# Altium PCB V5_BASE.PcbDoc (part 1 of 2)
Units mm, origin at the board's own origin, x right, y up, seen from the top; angles counter-clockwise.
Board outline 76 x 39 mm, 4 copper layers (Top Layer, Signal Layer 1, Signal Layer 2, Bottom Layer), stack 1.183 mm thick; 102 components, 180 nets, 665 pads, 337 vias.
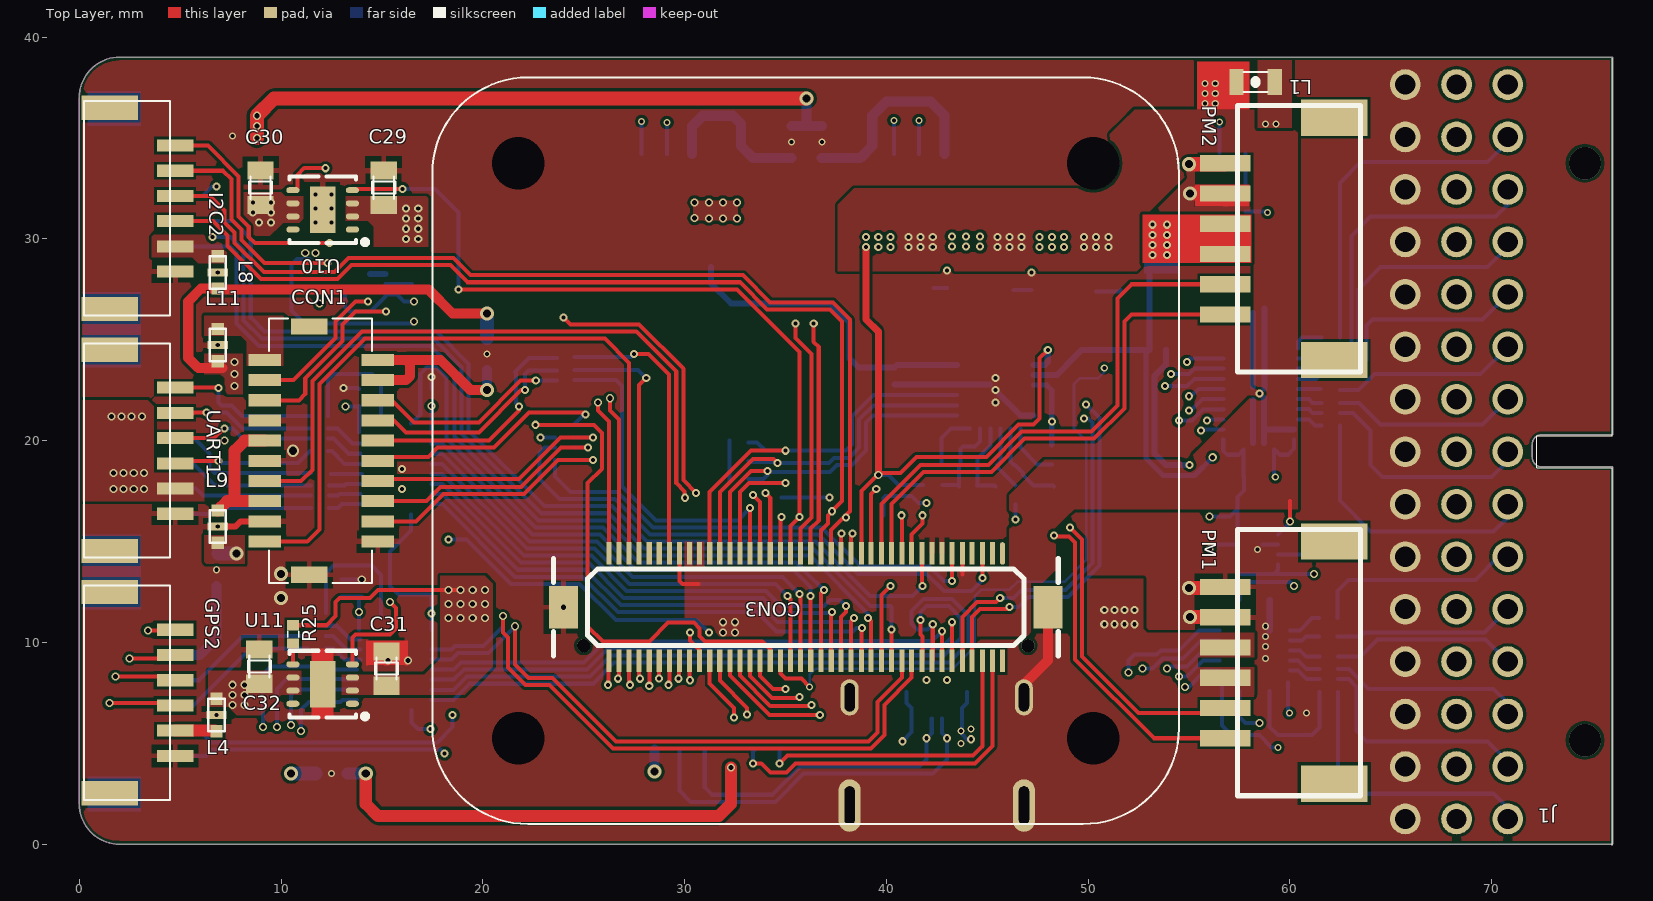
[diagram p0: Top Layer view]
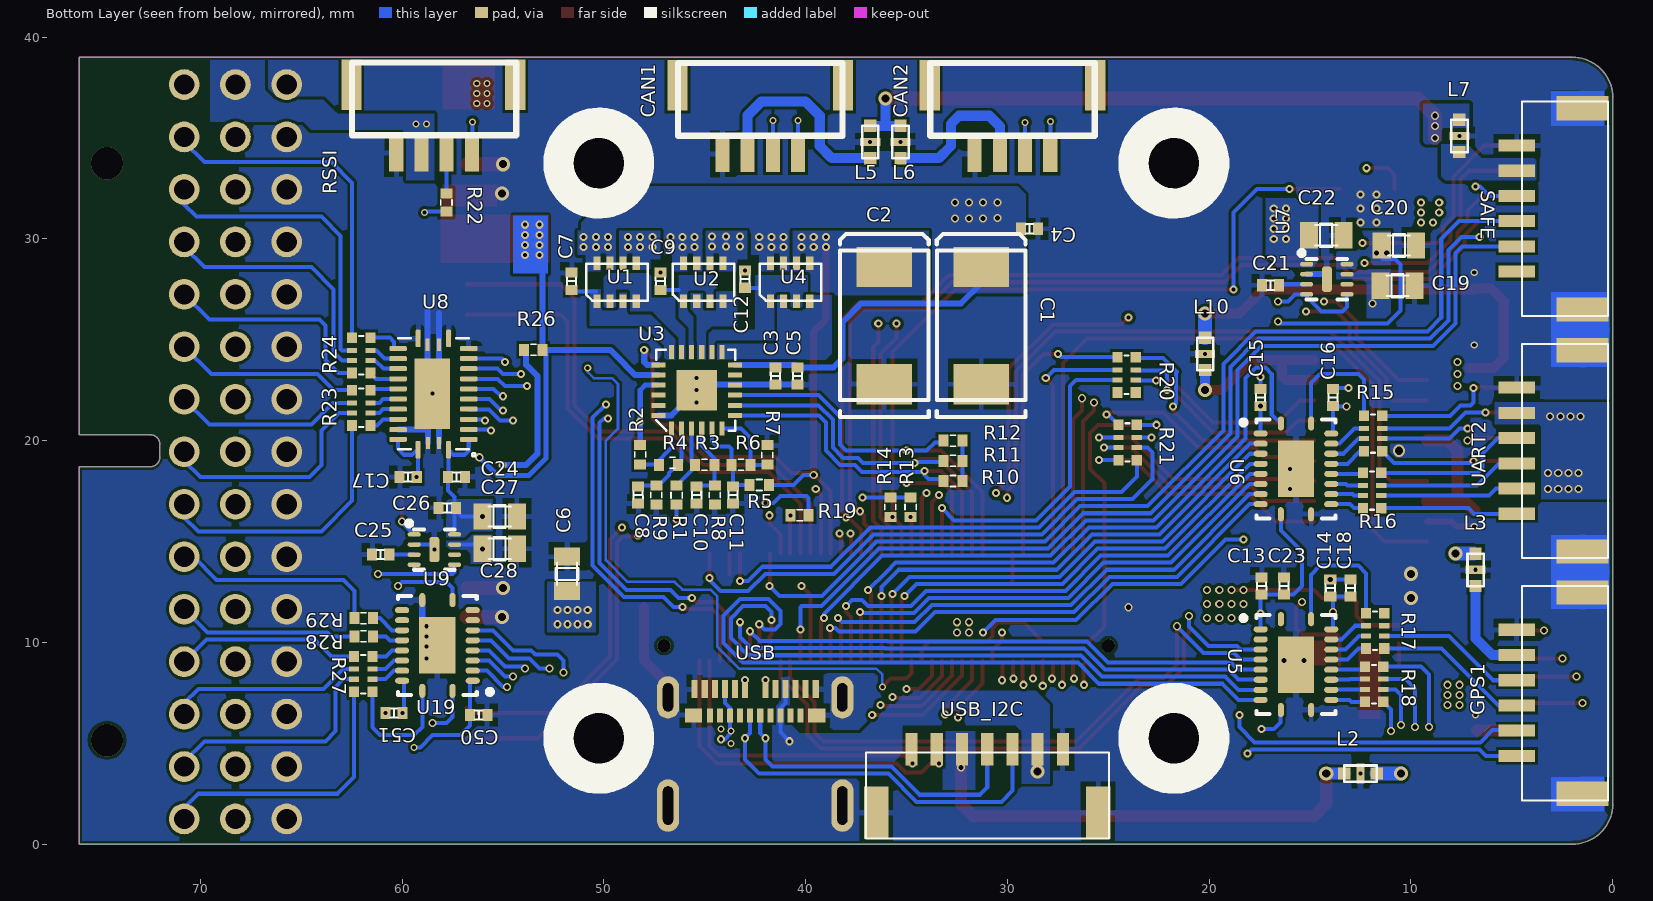
[diagram p1: Bottom Layer view, seen from below]
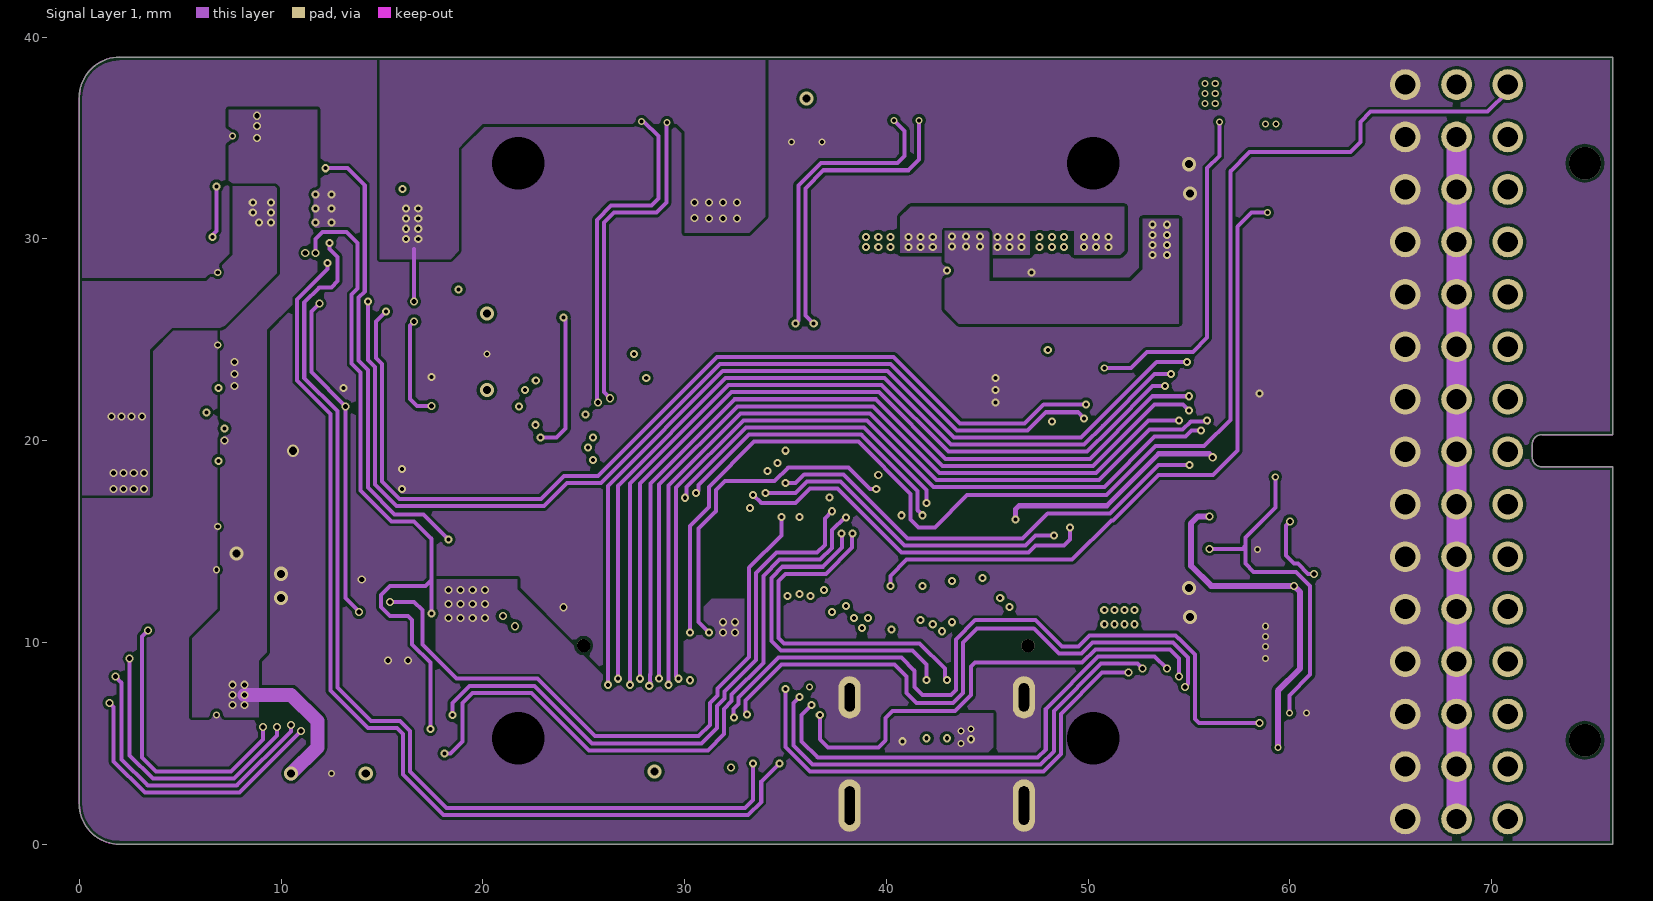
[diagram p2: Signal Layer 1]
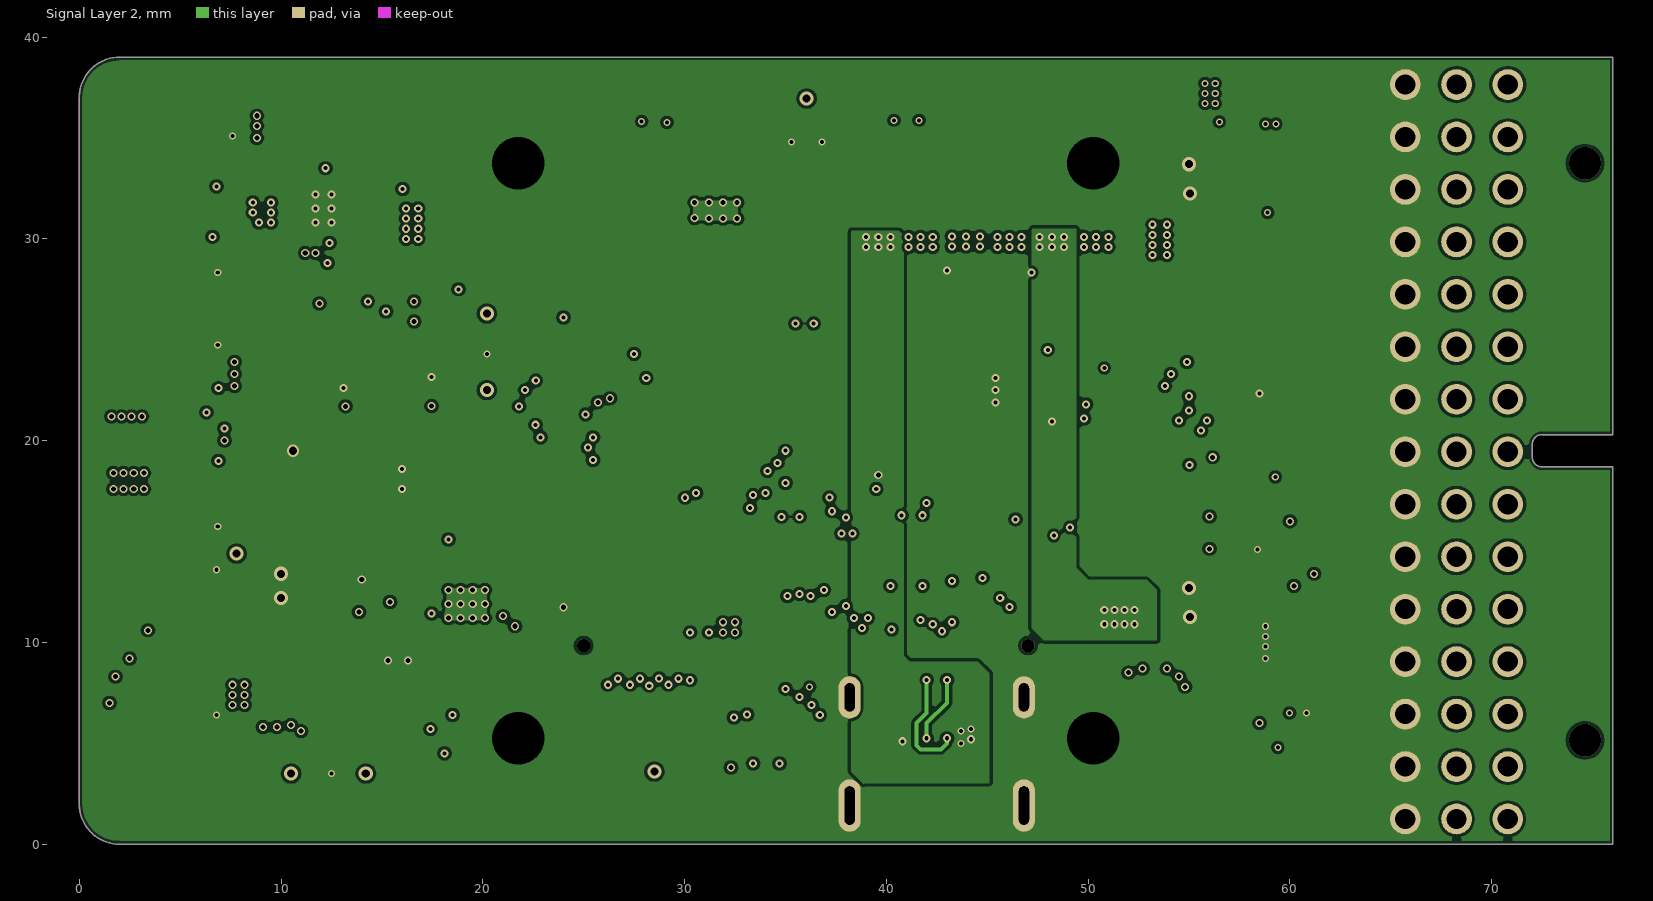
[diagram p3: Signal Layer 2]
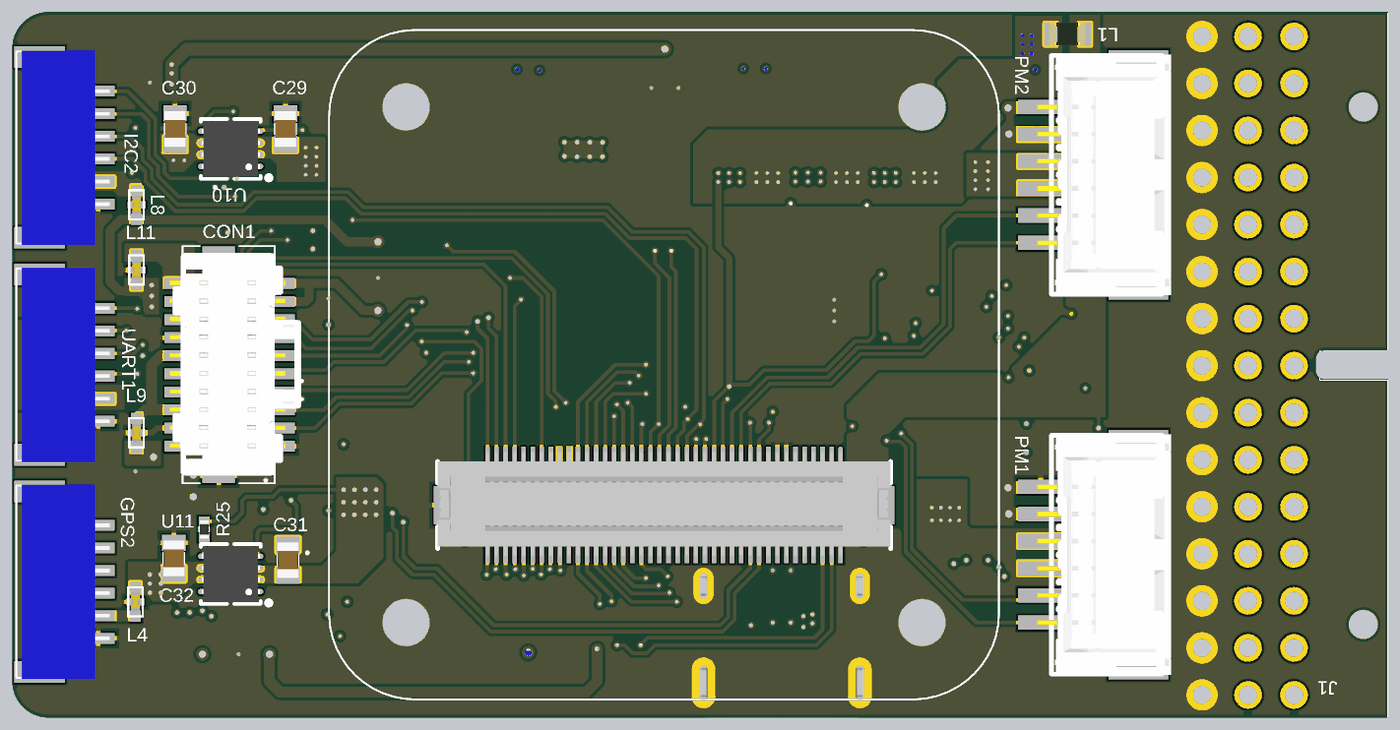
[diagram p5: 3D render of the assembled board from above, using the file's embedded part models]
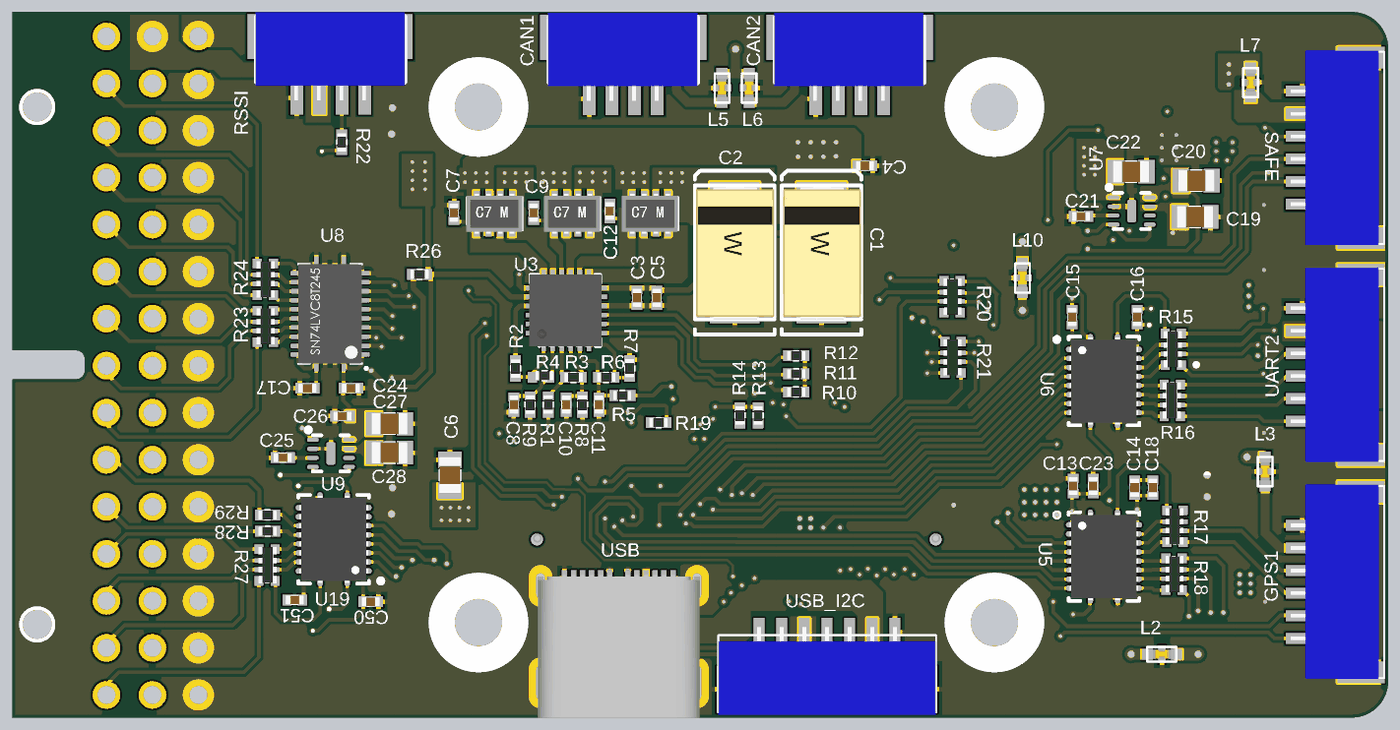
[diagram p6: 3D render of the assembled board from below, using the file's embedded part models]

## Layer stack, top to bottom
Top Solder: solder mask 0.0102, Solder Resist, Dk 3.5
Top Layer: signal copper 0.0356
Dielectric 1: core 0.4, FR-4, Dk 4.2
Signal Layer 1: signal copper 0.036
Dielectric 3: prepreg 0.24, Dk 4.2
Signal Layer 2: signal copper 0.036
Dielectric 2: core 0.4, Dk 4.2
Bottom Layer: signal copper 0.0356
Bottom Solder: solder mask 0.0102, Solder Resist, Dk 3.5

## Board outline
76,39 76,20.3 72.5,20.3 ccw(c72.5,19.8) 72,19.8 72,19.2 ccw(c72.5,19.2) 72.5,18.7 76,18.7 76,0 2,0 cw(c2,2) 0,2 0,37 cw(c2,37) 2,39

## Design rules (kind name [scope] priority, off if disabled: settings)
Clearance [All] p1: gap=0.15
PlaneConnect [All] p1: planeconnectstyle=Direct reliefexpansion=0.508 reliefentries=4 reliefconductorwidth=0.254 reliefairgap=0.254
PolygonConnect [InNet('3V3_ADC')+InNet('VDD_5V_BRICK')+InNet('VDD_5V_BRICK2')+InNet('VDD_5V_IN')+InNet('VBUS_G')+InNet('VBUS_S')+InNet('VBUS_VS')+InNet('VDD_G')+InNet('VDD_VS')+InNet('5V_OUT1')+InNet('5V_OUT2')+InNet('SERVO_G')+InNet('SERVO_VS') +InNet('D1_3V3')+InNet('D2_3V3')+InNet('IO1_3V3')+InNet('IO2_3V3')+InNet('RC_VCC')+InNet('USB_I2C_VCC')    +InNet('GPS1_VCC')+InNet('GPS2_VCC')+InNet('ADC_VCC')+InNet('3V3_ADC')+InNet('IMU_VCC')+InNet('I2C2_VCC')+InNet('I2C3_VCC')+InNet('SAFE_VCC')] p1: connectstyle=Direct reliefconductorwidth=0.254 reliefentries=4 polygonreliefangle="90 Angle" airgapwidth=0.254
PolygonConnect PolygonConnect_1 [OnMultiLayer] p2: connectstyle=Direct reliefconductorwidth=0.254 reliefentries=4 polygonreliefangle="90 Angle" airgapwidth=0.254
PolygonConnect PolygonConnect_2 [All] p3: connectstyle=Relief reliefconductorwidth=0.254 reliefentries=4 polygonreliefangle="90 Angle" airgapwidth=0.254
RoomDefinition 04_POWER_LDO [InComponentClass('04_POWER_LDO')] p1: confinementstyle=ConfineIn formatcopy=TRUE lockcomponents=FALSE outline 77.063,1.436 124.463,1.436 124.463,6.436 77.063,6.436
RoomDefinition 03_Power_Switch [InComponentClass('03_Power_Switch')] p2: confinementstyle=ConfineIn formatcopy=TRUE lockcomponents=FALSE outline 77.163,1.536 179.263,1.536 179.263,12.436 77.163,12.436
RoomDefinition 02_B_TO_B_CON [InComponentClass('02_B_TO_B_CON')] p3: confinementstyle=ConfineIn formatcopy=TRUE lockcomponents=FALSE outline -1.263,37.464 -8.263,37.464 -8.263,9.964 -1.263,9.964
RoomDefinition 05_DATA_IO [InComponentClass('05_DATA_IO')] p4: confinementstyle=ConfineIn formatcopy=TRUE lockcomponents=FALSE outline -1.163,37.464 -28.263,37.464 -28.263,24.364 -1.163,24.364
RoomDefinition 01_Power_IN [InComponentClass('01_Power_IN')] p5: confinementstyle=ConfineIn formatcopy=TRUE lockcomponents=FALSE outline -0.764,36.964 -20.764,36.964 -20.764,19.964 -0.764,19.964
RoomDefinition 06_PWM_IO [InComponentClass('06_PWM_IO')] p6: confinementstyle=ConfineIn formatcopy=TRUE lockcomponents=FALSE outline -1.083,37.482 -23.689,37.482 -23.689,-3.158 -1.083,-3.158
RoutingVias [All] p1: holewidth=0.711 width=1.27 viastyle="Through Hole" minholewidth=0.711 minwidth=1.27 maxholewidth=0.711 maxwidth=1.27
SolderMaskExpansion [All] p1: expansion=0.102
Width [All] p1: maxlimit=2 minlimit=0.1 preferedwidth=0.125 minimp=50.000000 maximp=50.000000 favimp=50.000000
29 further rules are at their usual default settings.

## Classes and differential pairs
component class 06_PWM_IO: C17 C50 C51 J1 L1 R23 R24 R27 R28 R29 U8 U19
component class 01_Power_IN: C29 C30 C31 C32 PM1 PM2 R25 R26 U10 U11
component class 05_DATA_IO: C13 C14 C15 C16 C? CAN1 CAN2 CON1 GPS1 GPS2 I2C2 L2 L3 L4 L5 L6 L7 L8 L9 L10 L11 R15 R16 R17 R18 R19 R20 R21 R22 RSSI SAFE U5 U6 U? UART1 UART2 USB USB_I2C
component class 02_B_TO_B_CON: CON3
component class 03_Power_Switch: C1 C2 C3 C4 C5 C6 C7 C8 C9 C10 C11 C12 R1 R2 R3 R4 R5 R6 R7 R8 R9 R10 R11 R12 R13 R14 U1 U2 U3 U4
component class 04_POWER_LDO: C18 C19 C20 C21 C22 C23 C24 C25 C26 C27 C28 U7 U9

## Components (designator, comment, footprint, x,y, rotation, side; value= is the part's Value field where it differs from the comment)
C1 "47UF 16V" 7343CAP 31.3,25.7 r270 bottom
C2 "47UF 16V" 7343CAP 36.1,25.7 r270 bottom
C3 "10nf" 0402CAP 41.5,23.2 r90 bottom
C4 "100nf" 0402CAP 28.9,30.5 r0 bottom
C5 "100nf" 0402CAP 40.4,23.2 r90 bottom
C6 "22UF/16V" 0805CAP 51.8,13.4 r270 bottom
C7 "100nf" 0402CAP 51.6,27.9 r90 bottom
C8 "22NF" 0402CAP 48.3,17.3 r270 bottom
C9 "100nf" 0402CAP 47.2,27.9 r90 bottom
C10 "47NF" 0402CAP 45.4,17.3 r270 bottom
C11 "22NF" 0402CAP 43.6,17.3 r270 bottom
C12 "100nf" 0402CAP 43,28 r90 bottom
C13 "100nf" 0402CAP 17.4,12.8 r270 bottom
C14 "100nf" 0402CAP 14,12.7 r270 bottom
C15 "100nf" 0402CAP 17.464,22.136 r270 bottom
C16 "100nf" 0402CAP 13.864,22.136 r270 bottom
C17 "100nf" 0402CAP 59.7,18.2 r180 bottom
C18 "100NF" 0402CAP 13,12.7 r90 bottom
C19 "47uf/16V" 0805CAP 10.668,27.7 r180 bottom
C20 "47uf/16V" 0805CAP 10.6,29.7 r180 bottom
C21 "100NF" 0402CAP 16.968,27.7 r0 bottom
C22 "47uf/16V" 0805CAP 14.2,30.2 r180 bottom
C23 "100NF" 0402CAP 16.3,12.8 r270 bottom
C24 "100NF" 0402CAP 57.3,18.2 r180 bottom
C25 "100NF" 0402CAP 61.063,14.364 r0 bottom
C26 "100NF" 0402CAP 57.763,16.664 r180 bottom
C27 "47uf/16V" 0805CAP 55.163,16.264 r180 bottom
C28 "47uf/16V" 0805CAP 55.163,14.664 r180 bottom
C29 "47uf/16V" 0805CAP 15.064,32.536 r90 top
C30 "47uf/16V" 0805CAP 8.964,32.536 r90 top
C31 "47uf/16V" 0805CAP 15.2,8.7 r90 top
C32 "47uf/16V" 0805CAP 8.9,8.8 r90 top
C50 "100nf" 0402CAP 56.2,6.4 r0 bottom
C51 "100nf" 0402CAP 60.4,6.5 r180 bottom
CAN1 "SM04B-GHS-TB" BM04B-GHS#1 42.25,35.9 r180 bottom locked
CAN2 "SM04B-GHS-TB" BM04B-GHS#1 29.75,35.9 r180 bottom locked
CON1 "5011902017" 5011902017 12,19.5 r270 top
CON3 "DF17(1.0H)-80DP-0.5V(57)" DF17(1.0H)-80DP-0.5V(57) 36.25,11.75 r0 top locked
GPS1 "SM06B-GHS-TB" SM06B-GHS-TB#1 3.5,7.5 r270 bottom locked
GPS2 "SM06B-GHS-TB" SM06B-GHS-TB#2 3.5,7.5 r90 top locked
I2C2 "SM06B-GHS-TB" SM06B-GHS-TB#2 3.5,31.5 r90 top locked
J1 "v5_IO" V5_IO_PWM 68.259,19.448 r270 top
L1 "500MA" 0805l 58.3,37.8 r180 top
L2 "KNH16C104DA5TS" KYOCERA-KNH16-DA 12.5,3.5 r0 bottom
L3 "KNH16C104DA5TS" KYOCERA-KNH16-DA 6.8,13.6 r270 bottom
L4 "KNH16C104DA5TS" KYOCERA-KNH16-DA 6.8,6.4 r270 top
L5 "KNH16C104DA5TS" KYOCERA-KNH16-DA 36.8,34.8 r270 bottom
L6 "KNH16C104DA5TS" KYOCERA-KNH16-DA 35.3,34.8 r270 bottom
L7 "KNH16C104DA5TS" KYOCERA-KNH16-DA 7.6,35.1 r270 bottom
L8 "KNH16C104DA5TS" KYOCERA-KNH16-DA 6.864,28.336 r90 top
L9 "KNH16C104DA5TS" KYOCERA-KNH16-DA 6.864,15.736 r90 top
L10 "KNH16C104DA5TS" KYOCERA-KNH16-DA 20.2,24.3 r270 bottom
L11 "KNH16C104DA5TS" KYOCERA-KNH16-DA 6.864,24.736 r90 top
PM1 "5054050660" 5054050660 59.5,9 r270 top locked
PM2 "5054050660" 5054050660 59.5,30 r270 top
R1 "309k" R0402#1 46.4,17.3 r270 bottom
R2 "453K" R0402#1 48.2,19.3 r90 bottom
R3 "24.9k" R0402#1 45,18.8 r0 bottom
R4 "56K" R0402#2 46.6,18.9 r180 bottom
R5 "453K" R0402#1 42.3,17.8 r180 bottom
R6 "56K" R0402#1 43.2,18.8 r0 bottom
R7 "105k" R0402#1 41.9,19.3 r270 bottom
R8 "75k" R0402#1 44.5,17.3 r90 bottom
R9 "105k" R0402#1 47.4,17.3 r90 bottom
R10 "1M" R0402#1 32.7,18 r0 bottom
R11 "1M" R0402#1 32.7,19 r0 bottom
R12 "1M" R0402#1 32.7,20 r0 bottom
R13 "105k" R0402#1 34.8,16.7 r90 bottom
R14 "105k" R0402#1 35.8,16.7 r90 bottom
R15 "100R" 0402_4r 11.9,20.375 r270 bottom
R16 "100R" 0402_4r 11.95,17.55 r270 bottom
R17 "100R" 0402_4r 11.8,10.6 r270 bottom
R18 "100R" 0402_4r 11.8,7.9 r90 bottom
R19 "0402R1K" 0402R 40.3,16.3 r180 bottom
R20 "100R" 0402_4r 24.064,23.236 r90 bottom
R21 "100R" 0402_4r 24.064,19.936 r270 bottom
R22 "0402R100R" 0402R 57.8,31.8 r90 bottom
R23 "100R" 0402_4r 62,21.6 r90 bottom
R24 "100R" 0402_4r 62,24.2 r90 bottom
R25 "0402R1K" 0402R 10.6,10.4 r90 top
R26 "0402R1K" 0402R 53.5,24.5 r180 bottom
R27 "100R" 0402_4r 61.9,8.4 r90 bottom
R28 "0402R100R" 0402R 61.9,10.3 r0 bottom
R29 "0402R100R" 0402R 61.9,11.2 r0 bottom
RSSI "SM04B-GHS-TB" BM04B-GHS#2 58.5,35.8 r180 bottom
SAFE "SM06B-GHS-TB" SM06B-GHS-TB#1 3.5,31.5 r270 bottom locked
U1 "NTHD4102PT1G" 1206-8 49.364,27.936 r180 bottom
U2 "NTHD4102PT1G" 1206-8 45.064,27.936 r180 bottom
U3 "LTC4417IUF#PBF" QFN24 45.4,22.5 r90 bottom
U4 "NTHD4102PT1G" 1206-8 40.764,27.936 r180 bottom
U5 "TXS0108E" VQFN20 15.7,8.9 r180 bottom
U6 "TXS0108E" VQFN20 15.7,18.6 r180 bottom
U7 "MIC5330-SSYML" MIC5530 14.168,28 r180 bottom
U8 "SN74LVC8T245" QFN24-RGY 58.5,22.2 r90 bottom
U9 "MIC5330-SSYML" MIC5530 58.4,14.6 r180 bottom
U10 "AP2311FGEG-7" QFN8_0.65 12.064,31.436 r180 top
U11 "AP2311FGEG-7" QFN8_0.65 12.064,7.936 r180 top
U19 "TXS0108E" VQFN20 58.25,9.85 r0 bottom
UART1 "SM06B-GHS-TB" SM06B-GHS-TB#2 3.5,19.5 r90 top locked
UART2 "SM06B-GHS-TB" SM06B-GHS-TB#1 3.5,19.5 r270 bottom locked
USB "1054500101" 1054500101 42.5,4.15 r180 bottom locked
USB_I2C "SM07B-GHS-TB" SM07B-GHS-TB 31,4.7 r0 bottom

## Footprints (in the part's own frame and the unit in brackets; to place one, negate y for a bottom-side part, rotate by r counter-clockwise, add the part's x,y. Pads: shape width x height; smd on the part's side, far side on the other; paste and mask are expansions set on the pad)
0402_4r [mm]
  rect 0.525x0.5 smd: 1(-0.85,-0.425) 4(0.9,-0.425) 5(0.9,0.475) 8(-0.85,0.475)
  rect 0.25x0.5 smd: 2(-0.225,-0.425) 3(0.275,-0.425) 6(0.275,0.475) 7(-0.225,0.475)
  silkscreen extent -0.93,-0.08 0.97,0.12, body extent -0.97,-0.5 1.03,0.5, height 0.45
0402CAP [mm]
  rect 0.5x0.6 smd: 1(-0.425,0) 2(0.425,0)
  silkscreen extent -0.18,-0.23 0.17,0.23, body extent -0.5,-0.25 0.5,0.25, height 0.5
0402R [mm]
  rect 0.5x0.6 smd: 1(-0.45,0) 2(0.45,0)
  silkscreen extent -0.13,-0.27 0.14,0.28, body extent -0.51,-0.25 0.49,0.25, height 0.3
0805CAP [mm]
  rect 0.9x1.3 smd: 1(-0.85,-0.025) 2(0.85,-0.025)
  silkscreen extent -0.55,-0.6 0.55,0.55, body extent -1,-0.62 1,0.58, height 1.2
0805l [mm]
  rect 0.7x1.3 smd: 1(-0.95,0.025) 2(0.95,0.025)
  silkscreen extent -0.6,-0.47 0.6,0.53, body extent -0.97,-0.6 1.03,0.65, height 0.45
1206-8 [mm]
  rect 0.35x0.65 smd: 1(-0.983,-1.027) 2(-0.333,-1.027) 3(0.317,-1.027) 4(0.967,-1.027) 5(-0.983,0.855) 6(-0.333,0.855) 7(0.317,0.855) 8(0.967,0.855)
  silkscreen extent -1.52,-1 1.53,0.83, body extent -1.56,-1.19 1.54,1.01, height 1.1
7343CAP [mm]
  rect 2x2.75 smd: A(-2.903,0) C(2.903,0)
  silkscreen extent -4.53,-2.2 4.53,2.2, body extent -3.63,-2.12 3.67,2.18, height 2.25
1054500101 [mm]
  oval 1.1x2.6 hole 0.5 slot 1.9 at 90 deg: 0(-4.32,-2.235) 0(4.32,-2.235)
  oval 1.1x2.1 / inner oval 1.1x2.1 / far side oval 0.9x1.8 hole 0.5 slot 1.4 at 90 deg: 0(-4.32,3.125) 0(4.32,3.125)
  rect 0.3x0.9 smd: A1(-3,3.535) A2(-2.5,3.535) A3(-2,3.535) A4(-1.5,3.535) A5(-1,3.535) A6(-0.5,3.535) A7(0.5,3.535) A8(1,3.535) A9(1.5,3.535) A10(2,3.535) A11(2.5,3.535) A12(3,3.535)
  rect 0.85x0.7 smd: B1(3.05,2.235) B12(-3.05,2.235)
  rect 0.3x0.7 smd: B2(2.25,2.235) B3(1.75,2.235) B4(1.25,2.235) B5(0.75,2.235) B6(0.25,2.235) B7(-0.25,2.235) B8(-0.75,2.235) B9(-1.25,2.235) B10(-1.75,2.235) B11(-2.25,2.235)
  body extent -4.47,-4.16 4.47,3.74, height 3.23
5011902017 [mm]
  rect 0.8x1.8 smd: 0(-6.15,-0.6) 9(6.15,-0.6)
  rect 0.6x1.6 smd: 1(-4.5,-2.8) 2(-3.5,-2.8) 3(-2.5,-2.8) 4(-1.5,-2.8) 5(-0.5,-2.8) 6(0.5,-2.8) 7(1.5,-2.8) 8(2.5,-2.8) 9(3.5,-2.8) 10(4.5,-2.8) 11(4.5,2.8) 12(3.5,2.8) 13(2.5,2.8) 14(1.5,2.8) 15(0.5,2.8) 16(-0.5,2.8) 17(-1.5,2.8) 18(-2.5,2.8) 19(-3.5,2.8) 20(-4.5,2.8)
  silkscreen extent -6.55,-2.6 6.55,2.5, body extent -6.18,-3.3 6.12,3.97, height 5.41
5054050660 [mm]
  rect 1.8x3.3 smd: 0(-6,2.7) 0(6,2.7)
  rect 0.8x2.5 smd: 1(-3.75,-2.7) 2(-2.25,-2.7) 3(-0.75,-2.7) 4(0.75,-2.7) 5(2.25,-2.7) 6(3.75,-2.7)
  silkscreen extent -6.6,-2.1 6.6,4, body extent -6.65,-2.9 6.65,4.5, height 7.33
BM04B-GHS#1 [mm]
  rect 1x2.5 smd: 0(-4.1,1.708) 0(4.1,1.708)
  rect 0.7x1.8 smd: 1(-1.875,-1.693) 2(-0.625,-1.693) 3(0.625,-1.693) 4(1.875,-1.693)
  silkscreen extent -4.08,-0.79 4.08,2.81, body extent -4.16,-1.8 4.09,3.05, height 4.4
BM04B-GHS#2 [mm]
  rect 1x2.5 smd: 0(-4.015,1.836) 0(4.11,1.836)
  rect 0.7x1.8 smd: 1(-1.79,-1.564) 2(-0.54,-1.564) 3(0.71,-1.564) 4(1.96,-1.564)